# KiCad board smoothiev2-prime.kicad_pcb (continued)
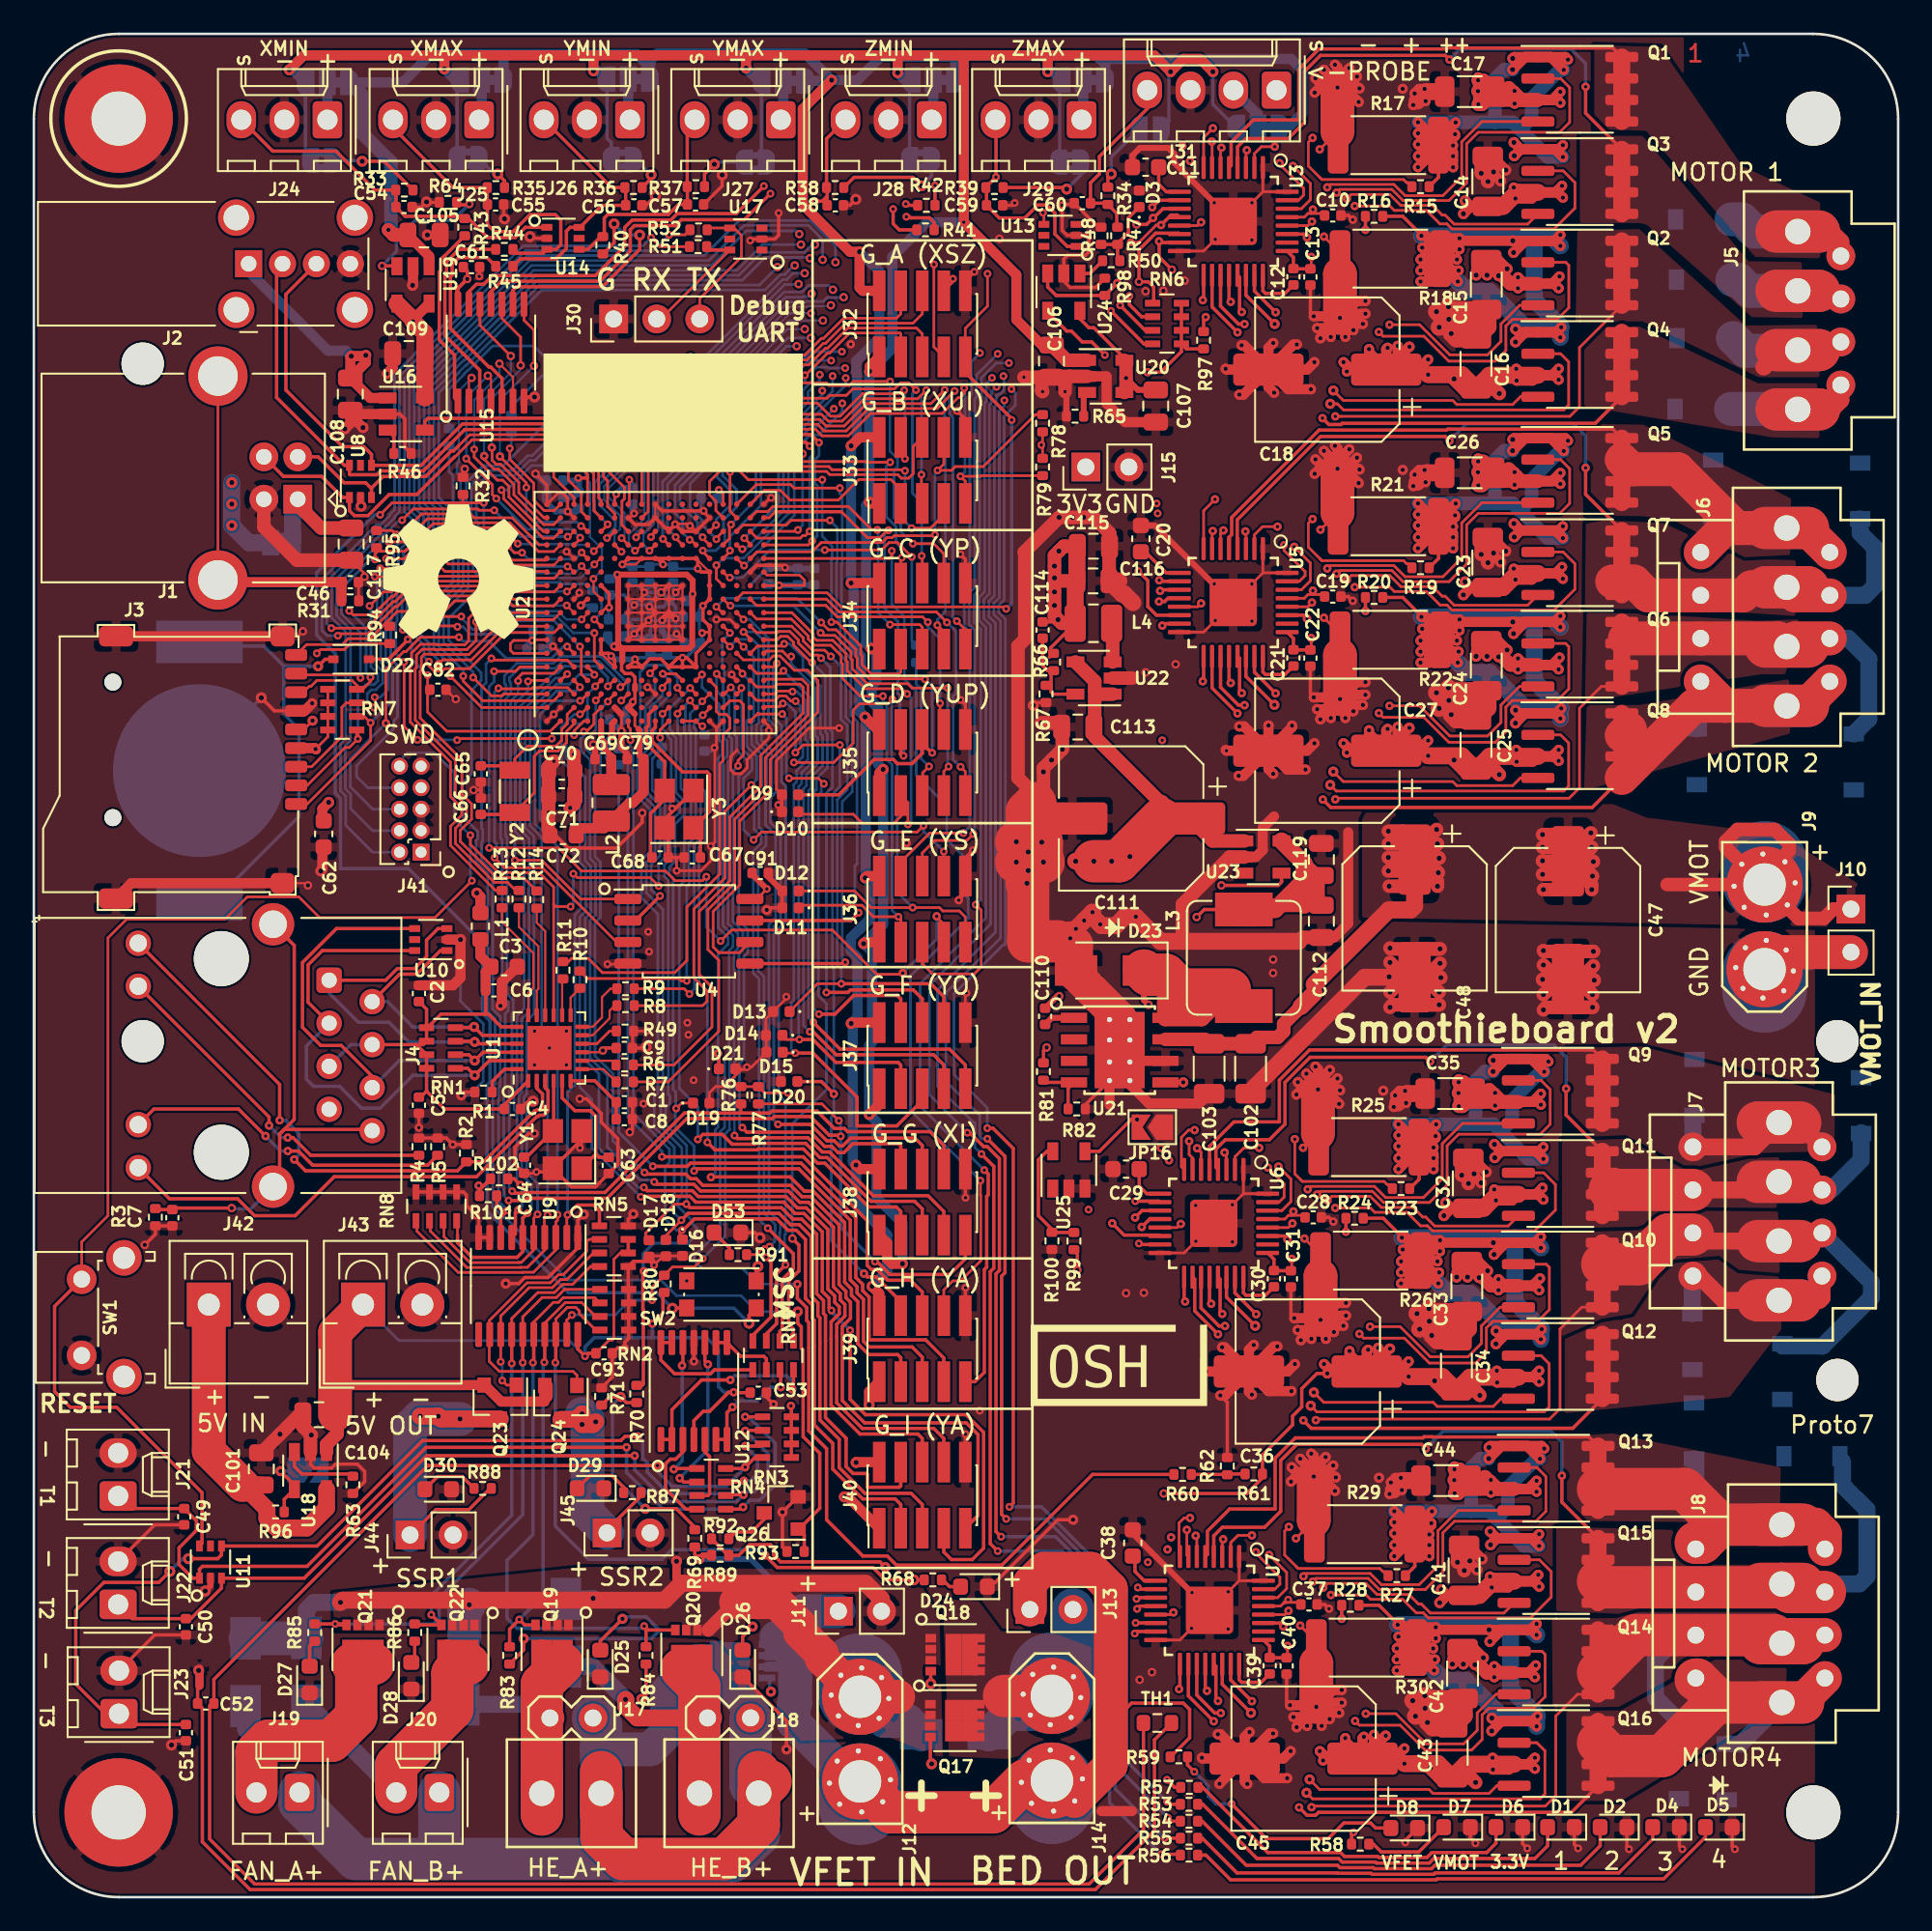
[diagram p0: board, top side]
## Routing (per net, layer and track width the routed paths; a pad name or vN(x,y) marks a point on that pad's centre or on a via; arc(x,y) is an arc through that point) (continued)
Net-(Q10-Pad2): length 32.5
  Top w0.16: Q10.2 89.23,37.36 89.42,37.18 89.42,34.68 88.74,34 86.1,34 85.7,33.6 85.7,32.15 85.08,31.53 82.34,31.53 80.87,33 78.46,33 v3(78.21,33.25)
  Top w0.2: v3(70.28,33.72) 69.93,33.72 68.87,34.78 U6.19
  In1.Cu w0.2: v3(78.21,33.25) 78.06,33.1 77.24,33.1 76.49,32.35 74.32,32.35 74.23,32.44 74.23,32.9 74.04,33.09 74.04,33.36 72.47,34.93 71.5,34.93 v3(70.28,33.72)
Net-(Q10-Pad4): length 23
  Top w0.16: v3(78.84,33.68) 80.62,33.68 82.4,31.9 84.62,31.9 85.41,32.69 85.41,33.72 86.52,34.83 Q10.4
  Top w0.2: v3(72.12,34.42) 70.87,35.67 U6.23
  In1.Cu w0.2: v3(78.84,33.68) 78.84,33.16 78.45,32.77 77.38,32.77 76.63,32.02 74.18,32.02 73.9,32.3 73.9,32.77 72.25,34.42 v3(72.12,34.42)
Net-(Q11-Pad1): length 49.1
  Top w0.2: v1(80.52,42.98) 80.52,43.07 R25.1 81.73,42.38 R23.1
  Top w0.6: v1(80.52,44.33) 80.57,44.28 R25.1 ; R25.1 82.17,44.28 ; R25.1 81.73,44.19 v1(80.52,42.98) ; R25.1 81.17,44.28 v1(80.52,43.63) ; R25.1 81.22,44.28 v1(80.52,44.98) ; R25.1 81.73,44.42 v1(80.52,45.63) ; R25.1 81.73,44.61 v1(82.74,45.62) ; R25.1 82.59,43.42 v1(82.59,42.97) ; R25.1 82.57,44.28 v1(82.59,44.26) ; 82.17,44.28 82.71,44.82 v1(82.71,44.93) ; 82.17,44.28 82.59,43.86 v1(82.59,43.63) ; v1(89.07,44.28) 88.83,44.03 Q11.1 ; Q11.1 88.61,44.03 v1(89.07,43.58) ; Q11.1 86.58,44.03 ; v1(89.12,48.73) 88.36,49.48 Q9.1 ; Q9.1 89.21,49.48 v1(89.37,49.33) ; Q9.1 86.2,49.48 v2(86.11,49.4) ; Q9.1 86.85,49.48 v2(86.1,48.74) ; 86.58,44.03 v2(86.2,43.65) ; 86.58,44.03 v2(86.18,44.44)
  Bottom w0.8: v1(89.07,43.58) 88.17,43.58 86.55,45.2 ; v2(86.1,48.74) 85.61,48.74 85.06,48.19 85.06,45.63 ; 85.06,45.63 v1(80.52,45.63) ; 85.06,45.63 86.12,45.63 86.55,45.2 ; v1(89.12,48.73) 88.91,48.73 87.23,47.05 87.23,45.89 86.55,45.2
Net-(Q11-Pad2): length 31.2
  Top w0.16: Q11.2 89.08,42.77 89.78,42.07 89.78,40.56 88.55,39.33 82.53,39.33 82.23,39.63 ; 82.23,39.63 82.19,39.63 ; 82.23,39.63 81.82,39.63 81.02,40.43 79.12,40.43 78.86,40.69 v3(76.79,40.69) ; U6.7 68.37,43.64 68.17,43.84 v3(68.17,44.63)
  In1.Cu w0.16: v3(76.79,40.69) 77.04,40.94 77.04,41.39 74.77,43.66 74.77,43.71 73.5,44.98 68.85,44.98 68.54,44.67 68.21,44.67 v3(68.17,44.63)
Net-(Q11-Pad4): length 21.6
  Top w0.16: Q11.4 86.99,39.62 82.65,39.62 82.12,40.15 81.95,40.15 81.38,40.72 79.51,40.72 78.85,41.37 76.58,41.37 v3(76.33,41.12) ; v3(70.26,43.96) 70.37,43.85 U6.3
  In1.Cu w0.16: v3(76.33,41.12) 76.08,40.87 75.15,40.87 73.9,42.12 73.9,43.35 73.54,43.71 70.51,43.71 v3(70.26,43.96)
Net-(Q12-Pad2): length 31.4
  Top w0.16: v1(75.34,29.01) 75.7,28.65 89.12,28.65 89.41,28.94 89.41,31.49 88.93,31.97 Q12.2
  Top w0.2: v3(69.87,33.23) 68.49,34.61 68.49,36.48 U6.18
  In1.Cu w0.2: v1(75.34,29.01) 74.92,29.43 74.92,30.12 74.64,30.4 73.53,30.4 72.51,31.42 72.51,32.85 72.23,33.13 69.97,33.13 v3(69.87,33.23)
Net-(Q12-Pad4): length 22.1
  Top w0.16: Q12.4 86.57,29.42 86.11,28.97 82.81,28.97 82.57,29.21 76.11,29.21 v1(75.52,29.8)
  Top w0.2: v1(72.06,33.72) 70.37,35.42 U6.22
  In1.Cu w0.2: v1(75.52,29.8) 75.52,30.5 75.08,30.94 74.11,30.94 72.84,32.21 72.84,32.99 72.1,33.72 v1(72.06,33.72)
Net-(Q13-Pad1): length 49.1
  Top w0.2: v1(80.27,20.13) 80.27,20.22 R29.1 81.48,19.53 R27.1
  Top w0.6: v1(80.27,21.48) 80.32,21.43 R29.1 ; R29.1 81.92,21.43 ; R29.1 81.48,21.34 v1(80.27,20.13) ; R29.1 80.92,21.43 v1(80.27,20.78) ; R29.1 80.97,21.43 v1(80.27,22.13) ; R29.1 81.48,21.57 v1(80.27,22.78) ; R29.1 81.48,21.76 v1(82.49,22.77) ; R29.1 82.34,20.57 v1(82.34,20.12) ; R29.1 82.32,21.43 v1(82.34,21.41) ; 81.92,21.43 82.46,21.97 v1(82.46,22.08) ; 81.92,21.43 82.34,21.01 v1(82.34,20.78) ; v1(88.82,21.43) 88.58,21.19 Q15.1 ; Q15.1 88.36,21.19 v1(88.82,20.73) ; Q15.1 86.33,21.19 ; v1(88.87,25.88) 88.11,26.64 Q13.1 ; Q13.1 88.96,26.64 v1(89.12,26.48) ; Q13.1 85.95,26.64 v2(85.86,26.55) ; Q13.1 86.6,26.64 v2(85.85,25.89) ; 86.33,21.19 v2(85.95,20.8) ; 86.33,21.19 v2(85.93,21.59)
  Bottom w0.8: v1(88.82,20.73) 87.92,20.73 86.3,22.36 ; v2(85.85,25.89) 85.36,25.89 84.81,25.34 84.81,22.78 ; 84.81,22.78 v1(80.27,22.78) ; 84.81,22.78 85.87,22.78 86.3,22.36 ; v1(88.87,25.88) 88.66,25.88 86.98,24.2 86.98,23.04 86.3,22.36
Net-(Q13-Pad2): length 31.5
  Top w0.16: v3(75.47,18.63) 75.66,18.82 78.73,18.82 79.39,18.16 82.1,18.16 83.14,19.2 83.14,21.51 83.82,22.19 88.63,22.19 89.22,22.78 89.22,24.83 88.68,25.36 Q13.2 ; U7.6 68.62,21.27 v3(68.56,21.33)
  In1.Cu w0.16: v3(75.47,18.63) 75.47,19.09 72.74,21.82 71.65,21.82 71.63,21.8 69.02,21.8 v3(68.56,21.33)
Net-(Q13-Pad4): length 22.3
  Top w0.16: Q13.4 84.04,22.83 82.85,21.63 82.85,19.56 81.74,18.45 79.51,18.45 78.85,19.11 75.08,19.11 v3(74.91,18.94) ; U7.2 70.62,20.93 71.05,21.36 v3(71.87,21.36)
  In1.Cu w0.16: v3(71.87,21.36) 72.79,21.36 74.91,19.23 v3(74.91,18.94)
Net-(Q14-Pad1): length 60.3
  Top w0.2: R30.1 81.6,15 79.37,17.23 R28.1
  Top w0.6: R30.1 81.6,15.71 81.82,15.93 v1(82.72,15.93) 82.86,15.78 v2(85.86,15.78) Q14.1 ; R30.1 81.6,14.41 v1(82.62,13.38) ; R30.1 82.3,14.03 v1(82.67,14.03) ; R30.1 81.67,14.73 82.37,15.43 82.57,15.43 v1(82.72,15.28) ; R30.1 82.52,14.73 v1(82.57,14.68) ; R30.1 80.47,14.73 v1(80.42,14.68) ; R30.1 81.12,14.73 v1(80.42,14.03) ; R30.1 80.97,14.1 80.97,14.93 v1(80.52,15.38) ; R30.1 81.6,13.75 81.22,13.38 80.92,13.38 ; 80.92,13.38 80.92,15.88 80.72,16.08 v1(80.47,16.08) ; 80.92,13.38 v1(80.42,13.38) ; v1(88.67,16.13) 88.33,15.78 Q14.1 ; Q14.1 88.36,15.78 v1(88.67,15.48) ; Q14.1 86.61,15.78 v2(85.91,15.09) ; v1(88.67,10.08) 88.36,10.38 Q16.1 ; Q16.1 88.42,10.38 v1(88.72,10.68) ; Q16.1 86.6,10.38 v2(86.02,9.81) ; Q16.1 86.21,10.38 v2(86.03,10.57)
  Bottom w1: v1(88.67,15.48) 88.07,16.08 87.13,16.08 ; v1(88.67,10.08) 88.67,10.75 87.13,12.29 87.13,16.08 ; 87.13,16.08 v1(80.47,16.08) ; v1(88.72,10.68) 86.61,10.68 84.49,12.8 83.2,12.8 v1(82.62,13.38)
Net-(Q14-Pad2): length 32.5
  Top w0.16: Q14.2 88.98,14.52 89.17,14.33 89.17,11.83 88.49,11.15 85.85,11.15 85.45,10.75 85.45,9.3 84.83,8.68 82.09,8.68 80.62,10.15 78.21,10.15 v3(77.96,10.4)
  Top w0.2: v3(70.03,10.87) 69.68,10.87 68.62,11.93 U7.19
  In1.Cu w0.2: v3(77.96,10.4) 77.81,10.25 76.99,10.25 76.24,9.5 74.07,9.5 73.98,9.59 73.98,10.05 73.79,10.24 73.79,10.51 72.22,12.08 71.25,12.08 v3(70.03,10.87)
Net-(Q14-Pad4): length 23
  Top w0.16: v3(78.59,10.83) 80.37,10.83 82.15,9.05 84.37,9.05 85.16,9.84 85.16,10.87 86.27,11.97 Q14.4
  Top w0.2: v3(71.87,11.57) 70.62,12.82 U7.23
  In1.Cu w0.2: v3(78.59,10.83) 78.59,10.31 78.2,9.92 77.13,9.92 76.38,9.17 73.93,9.17 73.65,9.45 73.65,9.92 72,11.57 v3(71.87,11.57)
Net-(Q15-Pad2): length 30.9
  Top w0.16: Q15.2 88.83,19.91 89.53,19.22 89.53,17.71 88.3,16.48 82.28,16.48 81.98,16.78 ; 81.98,16.78 81.94,16.78 ; 81.98,16.78 81.57,16.78 80.77,17.58 78.87,17.58 78.61,17.84 v3(76.54,17.84) ; v3(68.03,21.68) 68.03,20.2 U7.7
  In1.Cu w0.16: v3(68.03,21.68) 68.2,21.68 68.62,22.11 72.86,22.11 75.42,19.54 75.78,19.54 76.79,18.54 76.79,18.09 v3(76.54,17.84)
Net-(Q15-Pad4): length 21.2
  Top w0.16: Q15.4 86.74,16.77 82.4,16.77 81.87,17.3 81.7,17.3 81.13,17.87 79.26,17.87 78.6,18.52 76.33,18.52 v3(76.08,18.27) ; U7.3 70.12,21.07 v3(70.17,21.13)
  In1.Cu w0.16: v3(70.17,21.13) 70.42,20.88 72.86,20.88 73.43,20.31 73.43,19.49 74.9,18.02 75.83,18.02 v3(76.08,18.27)
Net-(Q16-Pad2): length 31.4
  Top w0.16: v1(75.09,6.16) 75.45,5.8 88.87,5.8 89.16,6.09 89.16,8.64 88.68,9.12 Q16.2
  Top w0.2: v3(69.62,10.38) 68.12,11.88 U7.18
  In1.Cu w0.2: v1(75.09,6.16) 74.67,6.58 74.67,7.27 74.39,7.55 73.28,7.55 72.26,8.57 72.26,10 71.98,10.28 69.72,10.28 v3(69.62,10.38)
Net-(Q16-Pad4): length 22.1
  Top w0.16: Q16.4 86.32,6.57 85.86,6.12 82.56,6.12 82.32,6.36 75.86,6.36 v1(75.27,6.95)
  Top w0.2: v1(71.81,10.87) 70.12,12.57 U7.22
  In1.Cu w0.2: v1(75.27,6.95) 75.27,7.65 74.83,8.09 73.86,8.09 72.59,9.36 72.59,10.14 71.85,10.87 v1(71.81,10.87)
Net-(Q25-Pad4): length 24.4
  Top w0.2: R92.2 40.96,20.18 41.6,20.18 42.22,20.81 43.47,20.81 43.64,20.63 43.64,20.2 44.06,19.79 49.93,19.79 v1(50.24,19.48)
  In2.Cu w0.2: v1(50.24,19.48) 49.83,19.07 47.15,19.07 43.49,15.41 v1(43.49,12.13)
  Bottom w0.2: v1(43.49,12.13) 43.42,12.2 43.42,13.03
Net-(R1-Pad1): length 2.4
  Top w0.2: R1.1 27.04,48.15 27.77,48.88 U1.24
Net-(R6-Pad1): length 2.1
  Top w0.128: R6.1 34.1,49.38 U1.8
Net-(R7-Pad1): length 2.3
  Top w0.128: U1.7 33.6,48.88 R7.1
Net-(R8-Pad1): length 3
  Top w0.128: U1.11 32.97,50.88 33.97,51.88 33.97,52.33 34.27,52.63 R8.1
Net-(R9-Pad1): length 3.7
  Top w0.128: R9.1 34.02,53.63 33.52,53.13 33.52,51.93 32.97,51.38 U1.12
Net-(R10-Pad1): length 1.8
  Top w0.128: U1.13 31.67,53.11 R10.1
Net-(R11-Pad1): length 2.2
  Top w0.128: U1.14 31.17,54.16 R11.1
Net-(R15-Pad2): length 17.1
  Top w0.16: R15.2 81.07,101.22 81,101.22 80.82,101.4 76,101.4 75.92,101.48 ; 75.92,101.48 75.87,101.53 ; 75.92,101.48 75.2,102.2 75.2,103.61 v3(75.45,103.86) ; v3(69.57,104.43) 69.02,103.88 U3.8
  In1.Cu w0.16: v3(69.57,104.43) 74.88,104.43 v3(75.45,103.86)
Net-(R16-Pad2): length 13.7
  Top w0.16: R16.2 78.57,99.33
  Top w0.2: U3.17 69.02,94.33 v3(68.97,94.28) ; v3(78.57,98.43) R16.2
  In1.Cu w0.2: v3(68.97,94.28) 69.69,95 72.36,95 72.56,95.2 75.34,95.2 v3(78.57,98.43)
Net-(R19-Pad2): length 17.9
  Top w0.16: 75.92,78.98 75.87,79.03 ; 75.92,78.98 75.2,79.7 75.2,81.11 v3(75.45,81.36) ; 75.92,78.98 76,78.9 80.82,78.9 81,78.72 81.07,78.72 R19.2 ; v3(69.69,82.52) 69.02,81.85 U5.8
  In1.Cu w0.16: v3(69.69,82.52) 74.29,82.52 v3(75.45,81.36)
Net-(R20-Pad2): length 13.7
  Top w0.16: R20.2 78.57,76.83
  Top w0.2: v3(68.97,71.78) 69.02,71.83 U5.17 ; v3(78.57,75.93) R20.2
  In1.Cu w0.2: v3(78.57,75.93) 75.34,72.7 72.56,72.7 72.36,72.5 69.69,72.5 v3(68.97,71.78)
Net-(R23-Pad2): length 17.3
  Top w0.16: 74.77,42.33 74.72,42.38 ; 74.77,42.33 74.85,42.25 79.67,42.25 79.85,42.07 79.92,42.07 R23.2 ; 74.77,42.33 74.4,42.7 v3(74.4,44.75) ; v3(68.49,45.28) 68.13,45.28 67.71,44.85 67.71,43.12 U6.8
  In1.Cu w0.16: v3(68.49,45.28) 73.86,45.28 v3(74.4,44.75)
Net-(R24-Pad2): length 13.6
  Top w0.16: R24.2 77.42,40.18
  Top w0.2: v3(77.42,39.28) R24.2 ; U6.17 67.87,35.22 v3(67.93,35.16)
  In1.Cu w0.2: v3(67.93,35.16) 68.62,35.85 73.99,35.85 v3(77.42,39.28)
Net-(R27-Pad2): length 17.5
  Top w0.16: 74.52,19.48 74.47,19.53 ; 74.52,19.48 73.8,20.2 73.8,21.61 v3(74.05,21.86) ; 74.52,19.48 74.6,19.4 79.42,19.4 79.6,19.22 79.67,19.22 R27.2 ; v3(68.22,22.39) 67.87,22.39 67.57,22.09 67.57,20.16 U7.8
  In1.Cu w0.16: v3(68.22,22.39) 68.47,22.64 73.27,22.64 v3(74.05,21.86)
Net-(R28-Pad2): length 13.7
  Top w0.16: R28.2 77.17,17.33
  Top w0.2: v3(67.57,12.28) 67.62,12.33 U7.17 ; v3(77.17,16.43) R28.2
  In1.Cu w0.2: v3(77.17,16.43) 73.94,13.2 71.16,13.2 70.96,13 68.29,13 v3(67.57,12.28)
Net-(R40-Pad1): length 14
  Top w0.2: v2(34.23,98.78) 34.23,97.67 R40.1 ; U15.9 28.27,94.88 28.46,95.07 33.54,95.07 35.74,97.27 v2(35.74,98.12)
  Bottom w0.2: v2(34.23,98.78) 34.89,98.12 v2(35.74,98.12)
Net-(R41-Pad1): length 30.6
  Top w0.2: U15.11 26.97,94.78 27.59,95.4 33.41,95.4 35.19,97.18 35.19,98.43 35.44,98.68 37.86,98.68 38.21,99.03 41.92,99.03 v5(43.46,100.57) ; v5(50.7,99.66) 50.7,98.79 51.06,98.43 R41.1
  In2.Cu w0.2: v5(43.46,100.57) 43.69,100.8 49.56,100.8 v5(50.7,99.66)
Net-(R42-Pad1): length 31.1
  Top w0.2: R42.1 51.53,99.88 v5(51.45,99.96) ; U15.13 25.67,94.78 26.11,95.22 26.54,95.22 27.05,95.73 33.13,95.73 34.86,97.46 34.86,98.57 35.3,99.01 37.58,99.01 37.96,99.39 41.45,99.39 v5(43.07,101.01)
  In2.Cu w0.2: v5(51.45,99.96) 50.17,101.24 43.3,101.24 v5(43.07,101.01)
Net-(R43-Pad1): length 10.8
  Top w0.2: R43.1 24.22,96.88 24.2,96.88 24.02,96.7 24.02,96.04 23.92,95.94 23.92,91.93 24.82,91.03 24.82,88.52 U15.1
Net-(R44-Pad1): length 12.3
  Top w0.2: U15.3 26.31,88.33 26.31,90.14 24.25,92.2 24.25,95.8 24.35,95.9 24.35,96.54 25.09,97.28 R44.1
Net-(R45-Pad1): length 12.4
  Top w0.2: R45.1 26.74,96.79 25.06,96.79 24.68,96.41 24.68,95.77 24.58,95.67 24.58,92.6 26.85,90.33 26.95,90.33 27.62,89.66 U15.5
Net-(R46-Pad1): length 1.5
  Top w0.2: 20.87,86.61 21.23,86.24 R46.1
Net-(R49-Pad1): length 2.3
  Top w0.16: R49.1 33.97,51.13 33.22,50.38 U1.10
Net-(R50-Pad1): length 1.7
  Top w0.2: R50.1 62.31,95.86 U24.1
Net-(R60-Pad1): length 3.2
  Top w0.2: R60.1 70.4,24.95 R62.1 70.46,24.98 R61.2
Net-(R63-Pad1): length 4.5
  Top w0.2: U18.3 15.37,25.43 15.82,24.98 18.69,24.98 R63.1
Net-(R64-Pad1): length 8.7
  Top w0.2: U19.3 21.39,96.31 v4(20.55,96.31) ; 24.94,99.91 25.64,99.91 v4(25.7,99.95)
  Bottom w0.2: v4(25.7,99.95) 24.72,98.98 22.5,98.98 21.39,97.88 21.39,97.16 v4(20.55,96.31)
Net-(R65-Pad1): length 1.5
  Top w0.35: 61.95,87.43 61.95,88.63 U20.3
Net-(R69-Pad1): length 13.4
  Top w0.2: R71.2 33.98,29.53 v1(34.62,29.53) 34.95,29.2 R70.2 ; 38.99,21.84 37.91,22.93 v1(36.07,22.93)
  Bottom w0.2: v1(34.62,29.53) 34.14,29.05 34.14,24.86 v1(36.07,22.93)
Net-(R81-Pad2): length 3.6
  Top w0.2: R81.2 59.7,48.1 U21.4 61.02,47.75 R82.1
Net-(R90-Pad1): length 1.3
  Top w0.2: U2.D10 32.67,76.58 32.6,76.58 v3(32.27,76.25)
  Bottom w0.2: R90.1 32.83,76.25 v3(32.27,76.25)
Net-(R97-Pad1): length 12.9
  Top w0.2: v3(63.92,95.29) 63.92,95.28 R98.2 60.32,94.56 59.82,95.06 U24.3 ; 69.02,92.43 69.02,93.06 69.14,93.18 v3(69.14,93.28)
  In2.Cu w0.2: v3(63.92,95.29) 64.56,95.93 66.49,95.93 v3(69.14,93.28)
Net-(R100-Pad2): length 7
  Top w0.2: R99.1 60.08,39.24 R100.2 60.07,39.43 59.27,40.23 59.27,43.53 59.77,44.03 U25.5
Net-(RN4-Pad5): length 9.1
  Top w0.2: RN4.5 37.8,25.31 v3(37.76,25.26) ; U12.12 38.3,31.43 v3(38.24,31.38)
  Bottom w0.2: v3(38.24,31.38) 38.24,25.75 v3(37.76,25.26)
Net-(RN4-Pad6): length 9.9
  Top w0.2: U12.10 39.6,31.63 v3(39.77,31.45) ; v3(38.1,24.74) 38.34,24.5 RN4.6
  Bottom w0.2: v3(38.1,24.74) 39.77,26.4 v3(39.77,31.45)
Net-(RN4-Pad7): length 4.1
  Top w0.2: RN4.7 39.77,23.7 39.87,23.81 39.87,26 39.6,26.28 U12.5
Net-(RN4-Pad8): length 5.9
  Top w0.2: RN4.8 38.47,22.91 37.28,24.1 37.28,25.59 37.55,25.86 37.87,25.86 38.3,26.28 U12.3
Net-(RN9-Pad5): length 7.5
  Top w0.2: RN9.5 40.16,31.13 39.93,30.9 37.8,30.9 36.99,31.7 36.99,32.74 U12.13
Net-(RN9-Pad6): length 4
  Top w0.2: RN9.6 43.22,31.78 43.07,31.93 41.71,31.93 U12.8 U12.9
Net-(RN9-Pad7): length 7.1
  Top w0.2: U12.6 U12.7 40.89,28.61 v3(41.22,28.93) ; RN9.7 44.07,31.08 v3(44.07,30.11)
  Bottom w0.2: v3(44.07,30.11) 43.49,30.11 42.7,29.31 41.6,29.31 v3(41.22,28.93)
Net-(RN9-Pad8): length 12.1
  Top w0.2: RN9.8 44.82,30.06 v3(44.74,29.98) ; v3(41.1,30.53) 39.39,30.53 37.64,28.78 U12.2 36.99,27.02
  Bottom w0.2: v3(41.1,30.53) 41.34,30.78 44.42,30.78 44.74,30.45 v3(44.74,29.98)

## Copper pours and planes (outline as drawn; the poured copper is in the pictures)
/3V3 on In2.Cu: 28.65,97.88 39.46,97.67 41.88,99.81 44.58,99.85 47.61,96.59 46.07,86.76 57.64,86.43 64.86,92.32 67.89,87.77 68.48,82.13 65.29,79.61 62.68,77.16 64.7,72.96 70.52,66.41 70.88,48.84 63.17,39.81 57.14,37.93 53.64,37.56 48.8,32.61 46.89,29.33 44.22,28 40.82,29.28 38.05,32.37 36.41,33.35 32.29,33.62 30.36,33.74 26.14,40.06 25.63,47.11 25.18,52.94 24.05,57.76 24.13,59.66 16.18,61.53 15.37,72.62 18.15,81.12 19.11,87.74 21.11,91.28 24.34,96.68
/mosfets/GND_FET on Top: 43.37,19.38 48.48,20.08 52.35,18.48 53.45,16.48 53.55,12.28 53.64,8.28 53.2,8.35 50.47,9.43 45.24,9.23 43.45,11.33 40.32,15.35 33.05,15.66 17.7,15.73 17.64,17.98 32.47,19.5
GND on Top: 105.1,-3.32 -4.33,-3.07 -4.33,112.78 105.1,112.53
GND on Bottom: 112.12,-3.07 -4.33,-3.07 -4.33,112.78 112.12,112.78
GND on In1.Cu: 112.12,-3.07 -4.33,-3.07 -4.33,112.78 112.12,112.78
GND on In2.Cu: 72.74,-3.21 -4.33,-3.07 -4.33,112.78 72.74,112.65
/driver-a/COIL_A1 on Top: 95.97,109.23 100.82,102.18 105.4,100.05 105.4,96.75 101.57,96.83 95.12,104.28 92.07,104.38 92.07,109.33
/driver-a/COIL_A2 on Top: 101.22,96.53 101.22,96.58 104.32,96.53 104.37,93.23 101.37,93.28 95.17,98.73 94.72,98.83 91.22,98.83 91.22,103.98 94.92,103.98
/driver-a/COIL_B1 on Top: 101.02,92.78 105.22,92.83 105.37,89.73 101.77,89.73 94.92,93.03 90.97,92.98 91.07,98.38 94.72,98.48
/driver-a/COIL_B2 on Top: 101.72,89.38 105.22,89.38 105.37,86.13 102.57,86.18 95.27,87.38 91.07,88.08 91.12,92.68 94.72,92.73
/driver-b/COIL_A1 on Top: 94.97,86.93 103.68,82.57 103.63,79.24 100.95,79.1 96.67,81.33 94.82,81.53 91.62,81.58 91.57,86.98
/driver-b/COIL_A2 on Top: 96.12,81.13 100.78,79.02 103.96,78.93 103.94,75.63 101.4,75.8 95.07,76.03 91.52,76.08 91.57,81.08 92.62,81.28
/driver-b/COIL_B1 on Top: 94.77,75.78 101.71,75.35 104.19,75.44 103.34,72.19 101.88,72.19 91.52,70.58 91.62,75.83
/driver-b/COIL_B2 on Top: 103.57,71.91 103.63,68.7 91.47,65.33 91.62,70.38 94.72,70.38
/driver-c/COIL_A1 on Top: 106.29,47.39 106.23,44.03 101.82,43.93 97.72,43.03 93.92,44.98 90.37,44.83 90.47,50.13 94.82,50.23
/driver-c/COIL_A2 on Top: 97.97,43.03 99.27,43.63 103.02,43.68 102.82,40.48 97.82,40.58 94.62,39.58 90.17,39.48 90.17,44.73 93.72,44.83
/driver-c/COIL_B1 on Top: 102.92,40.48 103.02,36.83 100.62,37.03 99.45,37.86 96.39,37.61 94.27,34.43 92.47,34.13 90.12,33.08 90.07,39.23 94.72,39.38 97.87,40.53
/driver-c/COIL_B2 on Top: 102.97,36.83 103.12,33.53 100.07,29.53 90.02,28.53 90.12,34.03 93.72,34.08 95.37,35.73 96.52,37.63 99.42,37.78
/driver-d/COIL_A1 on Top: 103.07,25.38 103.02,22.08 90.17,22.23 90.17,27.18 93.12,27.38
/driver-d/COIL_A2 on Top: 103.08,16.67 99.76,16.69 93.37,16.73 89.82,16.88 89.82,21.88 96.68,21.68 97.5,19.63 102.86,19.63
/driver-d/COIL_B1 on Top: 103.37,14.98 100.02,14.78 93.52,11.23 89.62,11.18 89.57,16.43 93.37,16.48 100.72,18.43 103.22,18.43
/driver-d/COIL_B2 on Top: 103.37,11.48 93.67,5.68 90.42,5.68 90.42,11.03 93.62,11.03 100.22,14.58 103.47,14.78
/mosfets/SW_BED on Top: 55.77,17.46 57.07,15.71 60.35,15.53 62.6,14.68 62.74,12.1 62.39,9.38 57.39,8.16 53.99,8.31 53.62,17.6
/mosfets/VFET on Bottom: 62.74,11.73 63.22,3.43 60.89,2.03 53.47,2.33 41.05,2.91 41.14,12.31 45.92,18.06 48.55,18.06 60.17,18.28
/VMOT on Top: 95.17,63.73 103.07,62.73 108.27,59.43 108.32,57.23 78.37,57.83 78.37,63.63 78.77,64.38 93.17,64.53
/VMOT on In1.Cu: 102.37,64.93 109.22,60.63 109.22,53.33 103.47,47.58 103.47,1.18 75.27,1.18 75.24,108.75 102.35,108.75
/VMOT on In2.Cu: 102.37,64.93 109.22,60.63 109.22,53.33 103.47,47.58 103.47,1.18 76.36,1.56 76.41,109.2 102.42,108.83
Net-(Q1-Pad1) on Bottom: 91.17,103.13 90.78,102.03 86.77,102.52 84.66,102.49 83.83,101.7 81.3,101.6 81.27,103.53 81.43,105.17 85.92,108.97 90.89,108.99
Net-(Q2-Pad1) on Bottom: 85.42,98.38 91.24,98.58 91.28,91.18 86.8,91.38 84.07,94.35 81.23,94.45 81.16,98.34 82.06,98.8
Net-(Q5-Pad1) on Bottom: 91.17,80.63 90.78,79.53 86.77,80.02 84.66,79.99 83.83,79.2 81.3,79.1 81.27,81.03 81.43,82.67 85.92,86.47 90.89,86.49
Net-(Q6-Pad1) on Bottom: 85.42,75.88 91.24,76.08 91.28,68.68 86.8,68.89 84.07,71.85 81.23,71.95 81.16,75.84 82.06,76.3
Net-(Q10-Pad1) on Bottom: 84.27,39.23 90.09,39.43 90.13,32.03 85.66,32.23 82.92,35.2 80.08,35.3 80.01,39.2 80.91,39.64
Net-(Q11-Pad1) on Bottom: 90.02,43.98 89.63,42.88 85.62,43.36 83.51,43.34 82.68,42.56 80.15,42.45 80.12,44.38 80.28,46.02 84.77,49.82 89.74,49.84
Net-(Q13-Pad1) on Bottom: 89.77,21.13 89.38,20.03 85.37,20.52 83.26,20.49 82.43,19.71 79.9,19.6 79.87,21.53 80.03,23.17 84.52,26.97 89.49,26.99
Net-(Q14-Pad1) on Bottom: 84.02,16.38 89.84,16.58 89.88,9.18 85.41,9.38 82.67,12.35 79.83,12.45 79.76,16.34 80.66,16.79

## Text on the board
Bottom: 4
B.SilkS: RTC Battery | ++ | s | - | + | Proto7 | Heatsink area
Cmts.User: SSR / 2x ssr control / outputs with / high side / switching | SMALL MOSFET / 3x small mosfets / one for fan / two for hotends | 7x Endstop connectors / supporting Min and Max / stops for X, Y, and Z / plus a Probe | LARGE MOSFET / large mosfet for / heated bed | GADGET / as many gadget / connectors as / possible with / spare GPIO | 5V REGULATOR / onboard 5V 3A reg | MOSFET POWER / XT30 connector for / 12V - 24V input | MicroSD / with true SDIO | USB DEVICE / USB-B connector / providing serial / and mass storage / connectivity to a pc | ANALOG / 3x thermistor inputs / board thermistor / primary power sense / vfet power sense / dac | USB MASTER / USB-A connector / supporting mass / storage devices | ETHERNET / 10/100 RJ-45 | LEDS / Primary power / Logic Power / 4x User LED | PARALLEL FLASH / 64Mbit (8MByte) of high / speed flash | PRIMARY POWER / XT30 connector for / 12V - 24V input | STEPPER MOTORS / 4x TMC2660 bipolar / stepper drivers / configured for 24V / and 2.8A maximums
Top: 1
F.SilkS: VFET | VMOT | 3.3V | T2 | T3 | T1 | ++ | XMIN | XMAX | YMIN | YMAX | ZMIN | ZMAX | +  - / 5V IN | FAN_A+ | - | + | +  - / 5V OUT | SWD | FAN_B+ | SSR1 | HE_A+ | SSR2 | HE_B+ | G_B (XUI) | G_A (XSZ) | G_C (YP) | G_D (YUP) | G_E (YS) | G_F (YO) | G_G (XI) | G_H (YA) | G_I (YA) | 3V3 | GND | <-PROBE | 1 | 2 | 3 | 4 | MOTOR 1 | MOTOR4 | MOTOR 2 | MOTOR3 | Proto7 | s | RESET | Debug / UART | MSC | VMOT_IN | G RX TX | VFET IN | BED OUT | Smoothieboard v2
In1.Cu: 2
In2.Cu: 3
